# Altium PCB ESP12_RGBW_00.PcbDoc
Units mm, origin at the board's own origin, x right, y up, seen from the top; angles counter-clockwise.
Board outline 36 x 46 mm, 2 copper layers (Top Layer, Bottom Layer), stack 0.971 mm thick; 68 components, 79 nets, 275 pads, 49 vias.
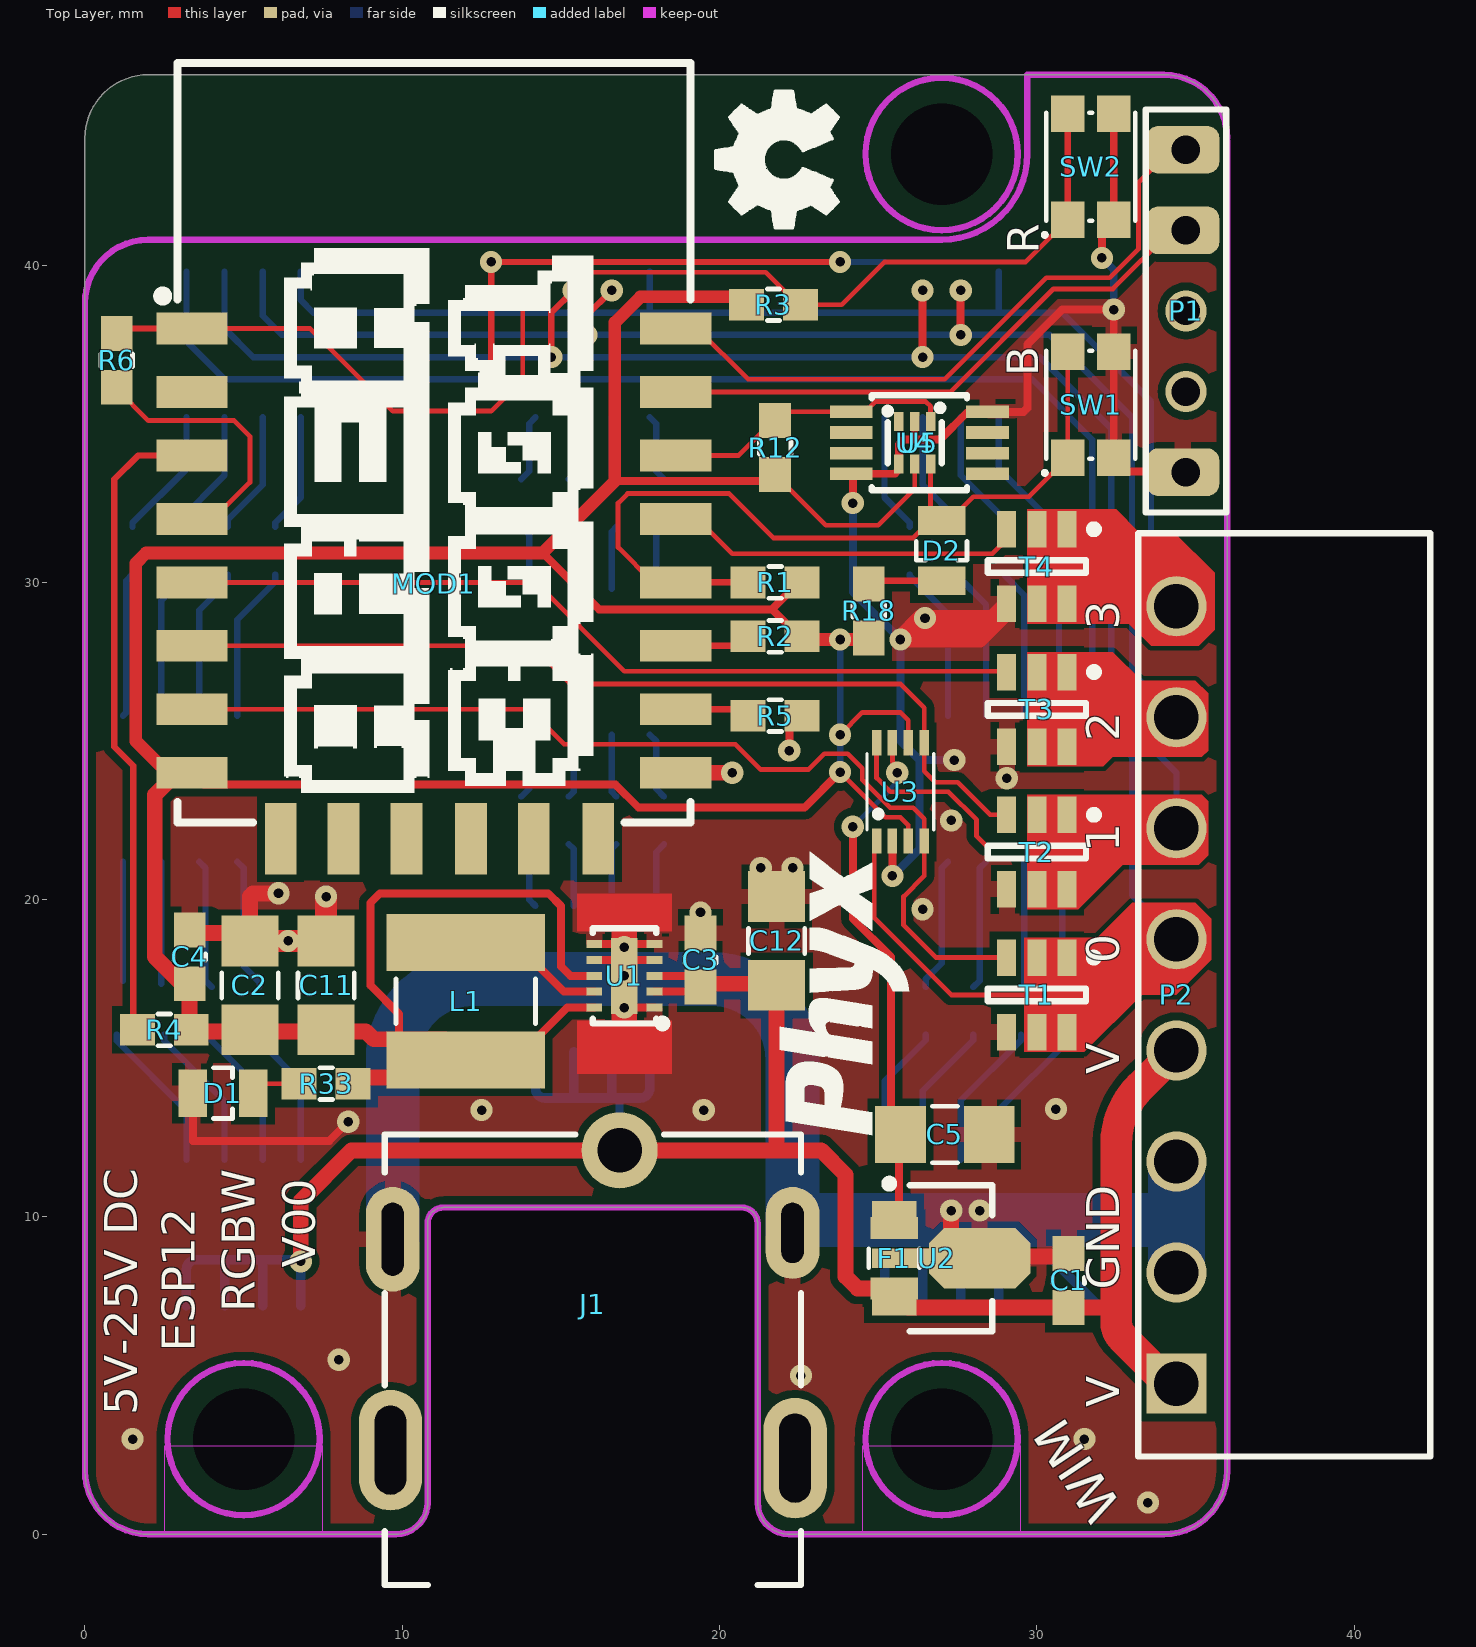
[diagram p0: Top Layer view]
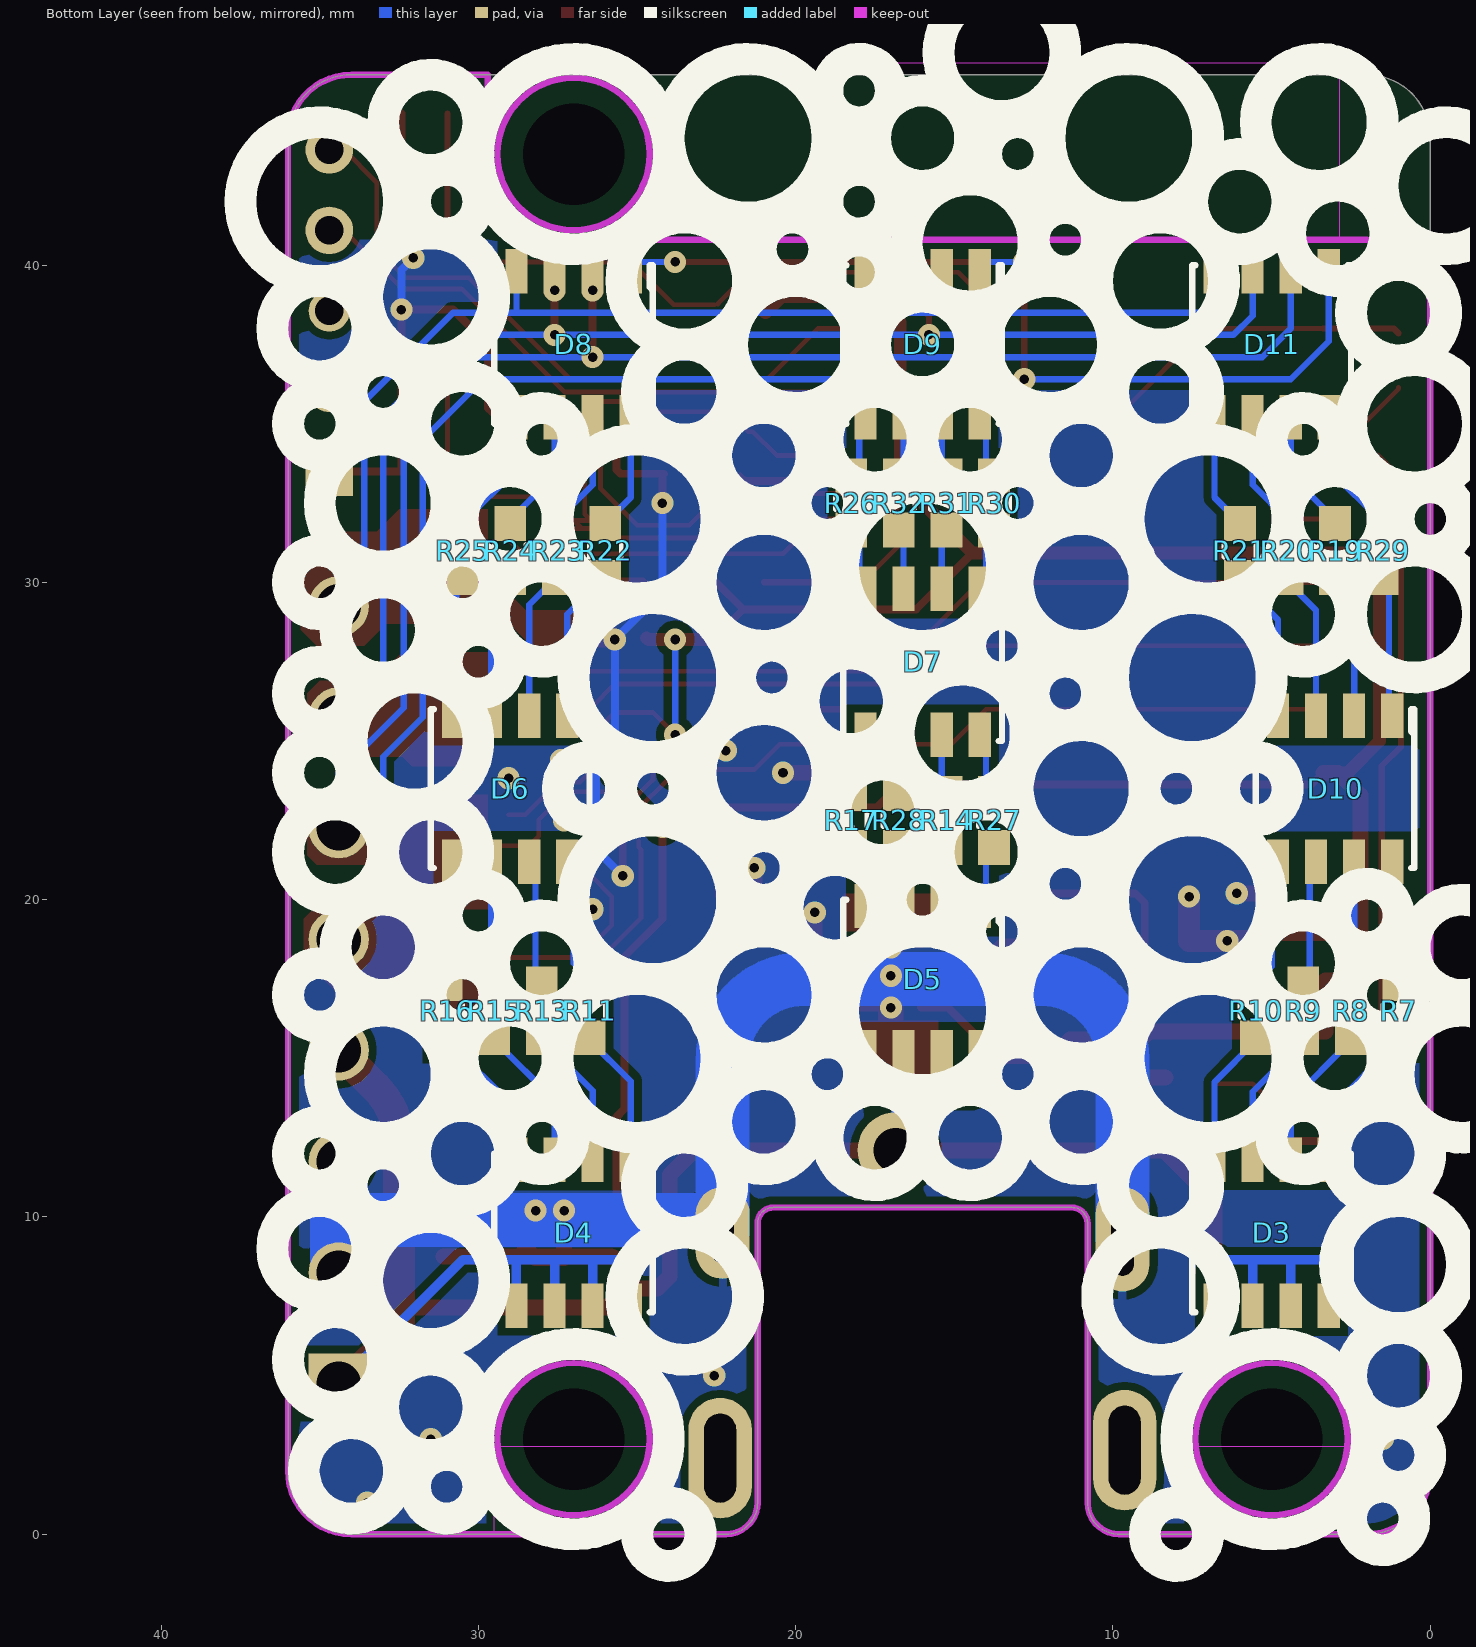
[diagram p1: Bottom Layer view, seen from below]
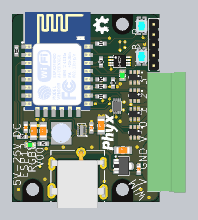
[diagram p2: 3D render of the assembled board from above, using the file's embedded part models]
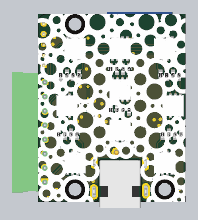
[diagram p3: 3D render of the assembled board from below, using the file's embedded part models]

## Layer stack, top to bottom
Top Solder: solder mask 0.0102, Solder Resist, Dk 3.5
Top Layer: signal copper 0.0356
Dielectric1: dielectric 0.9, FR-4, Dk 4.8
Bottom Layer: signal copper 0.0356
Bottom Solder: solder mask 0.0102, Solder Resist, Dk 3.5

## Board outline
2,0 9.8,0 ccw(c9.8,1) 10.8,1 10.8,9.8 cw(c11.3,9.8) 11.3,10.3 20.7,10.3 cw(c20.7,9.8) 21.2,9.8 21.2,1 ccw(c22.2,1) 22.2,0 34,0 ccw(c34,2) 36,2 36,44 ccw(c34,44) 34,46 2,46 ccw(c2,44) 0,44 0,2 ccw(c2,2)

## Design rules (kind name [scope] priority, off if disabled: settings)
Clearance [All] p1: gap=0.15 except(0.25: Arc-Poly Track-Poly SMDPad-Poly THPad-Poly Via-Poly Fill-Poly Poly-Poly)
HoleSize [All] p1: absolutevalues=TRUE maxlimit=4 minlimit=0.025 maxpercent=80.000 minpercent=20.000
MinimumSolderMaskSliver [All] p1: minsoldermaskwidth=0.1
PolygonConnect PolygonConnect_Via [IsVia] p1: connectstyle=Direct reliefconductorwidth=0.254 reliefentries=4 polygonreliefangle="90 Angle" airgapwidth=0.254
PolygonConnect PolygonConnect_TIO [All vs OnLayer('Top Layer')] p2: connectstyle=Relief reliefconductorwidth=0.5 reliefentries=4 polygonreliefangle="90 Angle" airgapwidth=0.2
PolygonConnect [All] p3: connectstyle=Relief reliefconductorwidth=0.254 reliefentries=4 polygonreliefangle="90 Angle" airgapwidth=0.254
RoutingVias [All] p1: holewidth=0.3 width=0.7 viastyle="Through Hole" minholewidth=0.3 minwidth=0.7 maxholewidth=0.3 maxwidth=0.7
SilkToSolderMaskClearance SilkscreenOverComponentPads [IsPad] p1: minsilkscreentomaskgap=0.254 clearancetoexposedcopper=TRUE
SolderMaskExpansion SolderMaskExpansion_VIA [IsVia] p1: expansion=-0.1 useseparateexpansions=TRUE expansionbottom=-10
SolderMaskExpansion [All] p2: expansion=0.05
Width [All] p1: maxlimit=2 minlimit=0.15 preferedwidth=0.5 minimp=50.000000 maximp=50.000000 favimp=50.000000
27 further rules are at their usual default settings.

## Classes and differential pairs
net class POWER: 3V3 GND NetL1_1 VIN

## Components (designator, comment, footprint, x,y, rotation, side; value= is the part's Value field where it differs from the comment)
C1 "CAP_CERAMIC" C0603_N 31,8 r90 top
C2 "CAP_CERAMIC" C1206_N 5.2,17.3 r90 top
C3 "CAP_CERAMIC" C0603_N 19.4,18.1 r90 top
C4 "CAP_CERAMIC" C0603_N 3.3,18.2 r90 top
C5 "CAP_CERAMIC" C1206_N 27.1,12.6 r0 top
C11 "CAP_CERAMIC" C1206_N 7.6,17.3 r90 top
C12 "CAP_CERAMIC" C1206_N 21.8,18.7 r90 top
D1 "Green LED" LED_0805_GR 4.35,13.9 r180 top
D2 "Green LED" LED_0805_GR 27,31 r90 top
D3 "5050 RGBW LED" LED_5050_RGBW_PLCC8 5,9.5 r90 bottom
D4 "5050 RGBW LED" LED_5050_RGBW_PLCC8 27,9.5 r90 bottom
D5 "5050 RGBW LED" LED_5050_RGBW_PLCC8 16,17.5 r90 bottom
D6 "5050 RGBW LED" LED_5050_RGBW_PLCC8 29,23.5 r90 bottom
D7 "5050 RGBW LED" LED_5050_RGBW_PLCC8 16,27.5 r90 bottom
D8 "5050 RGBW LED" LED_5050_RGBW_PLCC8 27,37.5 r90 bottom
D9 "5050 RGBW LED" LED_5050_RGBW_PLCC8 16,37.5 r90 bottom
D10 "5050 RGBW LED" LED_5050_RGBW_PLCC8 3,23.5 r90 bottom
D11 "5050 RGBW LED" LED_5050_RGBW_PLCC8 5,37.5 r90 bottom
F1 "FERRITE" L0805 25.5,8.7 r90 top
J1 "Socket RA 4.75 with 1.75 barrel" 694105309102 16.85,12.1 r0 top
L1 "SDR0503-100ML" BRNS_SDR0503 12,16.8 r270 top
MOD1 "ESP8266 based ESP-12E" ESP-12E 11,31 r0 top locked
P1 "Header 5" HDR1X5 34.7,33.475 r90 top
P2 "8 Terminal Socket RA 3,5mm" WE_691322110008 34.4,17 r90 top
R1 "RESISTOR" R0603_N 21.75,30 r180 top
R2 "RESISTOR" R0603_N 21.75,28.3 r180 top
R3 "RESISTOR" R0603_N 21.7,38.75 r0 top
R4 "RESISTOR" R0603_N 2.5,15.9 r180 top
R5 "RESISTOR" R0603_N 21.75,25.8 r0 top
R6 "RESISTOR" R0603_N 1,37 r270 top
R7 "RESISTOR" R0603_N 1,16.5 r90 bottom
R8 "RESISTOR" R0603_N 2.5,16.5 r90 bottom
R9 "RESISTOR" R0603_N 4,16.5 r90 bottom
R10 "RESISTOR" R0603_N 5.5,16.5 r90 bottom
R11 "RESISTOR" R0603_N 26.5,16.5 r90 bottom
R12 "RESISTOR" R0603_N 21.75,34.25 r90 top
R13 "RESISTOR" R0603_N 28,16.5 r90 bottom
R14 "RESISTOR" R0603_N 15.25,22.5 r90 bottom
R15 "RESISTOR" R0603_N 29.5,16.5 r90 bottom
R16 "RESISTOR" R0603_N 31,16.5 r90 bottom
R17 "RESISTOR" R0603_N 18.25,22.5 r90 bottom
R18 "RESISTOR" R0603_N 24.7,29.1 r90 top
R19 "RESISTOR" R0603_N 3,31 r90 bottom
R20 "RESISTOR" R0603_N 4.5,31 r90 bottom
R21 "RESISTOR" R0603_N 6,31 r90 bottom
R22 "RESISTOR" R0603_N 26,31 r90 bottom
R23 "RESISTOR" R0603_N 27.5,31 r90 bottom
R24 "RESISTOR" R0603_N 29,31 r90 bottom
R25 "RESISTOR" R0603_N 30.5,31 r90 bottom
R26 "RESISTOR" R0603_N 18.25,32.5 r90 bottom
R27 "RESISTOR" R0603_N 13.75,22.5 r90 bottom
R28 "RESISTOR" R0603_N 16.75,22.5 r90 bottom
R29 "RESISTOR" R0603_N 1.5,31 r90 bottom
R30 "RESISTOR" R0603_N 13.75,32.5 r90 bottom
R31 "RESISTOR" R0603_N 15.25,32.5 r90 bottom
R32 "RESISTOR" R0603_N 16.75,32.5 r90 bottom
R33 "RESISTOR" R0603_N 7.6,14.2 r180 top
SW1 "LP SMD tact sw WS-TASV" WE_434153017835 31.7,35.6 r90 top
SW2 "LP SMD tact sw WS-TASV" WE_434153017835 31.7,43.1 r90 top
T1 "8A N-Ch MOSFET Vgs 1.9" SOT23-6 30,17 r270 top
T2 "8A N-Ch MOSFET Vgs 1.9" SOT23-6 30,21.5 r270 top
T3 "8A N-Ch MOSFET Vgs 1.9" SOT23-6 30,26 r270 top
T4 "8A N-Ch MOSFET Vgs 1.9" SOT23-6 30,30.5 r270 top
U1 "Fixed 3.3V Buck 0.5A" TI_DQC_WSON10 17,17.6 r180 top
U2 "5V LDO 100mA" TI_PK 27.3,8.7 r0 top
U3 "2-bit Bi Level translator, 15kV ESD" TI_DCU_R-PDSO-G8 25.7,23.4 r0 top
U4 "I2C Temp sensor High Accuracy" TI_DRL_R-PDSO-N6 26.15,34.4 r180 top
U5 "Thermometer 1-Wire DS18B20U" MAX_uSOP8 26.3,34.4 r0 top

## Footprints (in the part's own frame and the unit in brackets; to place one, negate y for a bottom-side part, rotate by r counter-clockwise, add the part's x,y. Pads: shape width x height; smd on the part's side, far side on the other; paste and mask are expansions set on the pad)
694105309102 [mm] "694105309102 in board DC Power Barrel jack"
  round 2.4 hole 1.4: 1(0,0)
  oval 1.7x3.3 hole 0.7 slot 2.3 at 90 deg: 2(-7.15,-2.8)
  oval 1.7x2.9 hole 0.7 slot 1.9 at 90 deg: 3(5.45,-2.6)
  oval 2x3.8 hole 1 slot 2.8 at 90 deg: Z1(5.53,-9.7) Z2(-7.22,-9.45)
  Comments keep-out lines w0.127: -6.05,-13.7 -6.05,-1.8 4.35,-1.8 4.35,-13.7 -6.05,-13.7
  silkscreen extent -7.41,-13.7 5.72,0.5, body extent -7.41,-13.7 5.72,0.5, height 5.5
BRNS_SDR0503 [mm] "Bourns 5.0x4.8mm Inductor 3mm height - SDR0503 Series"
  rect 1.8x5 smd: 1(-1.85,0) 2(1.85,0)
  silkscreen extent -0.7,-2.2 0.7,2.2, body extent -2.5,-2.5 2.5,2.5, height 3
C0603_N [mm] "Low density"
  rect 1.1x1 smd: 1(-0.85,0) 2(0.85,0)
  silkscreen extent -0.1,-0.5 0.1,0.5, body extent -0.8,-0.4 0.8,0.4, height 0.3
C1206_N [mm] "low density"
  rect 1.6x1.8 smd: 1(-1.4,0) 2(1.4,0)
  silkscreen extent -0.4,-0.89 0.4,0.89, body extent -1.6,-0.8 1.6,0.8, height 1
ESP-12E [mm]
  rect 2.25x1 smd: 1(-7.625,7) 2(-7.625,5) 3(-7.625,3) 4(-7.625,1) 5(-7.625,-1) 6(-7.625,-3) 7(-7.625,-5) 8(-7.625,-7) 15(7.625,-7) 16(7.625,-5) 17(7.625,-3) 18(7.625,-1) 19(7.625,1) 20(7.625,3) 21(7.625,5) 22(7.625,7)
  rect 1x2.25 smd: 9(-4.831,-9.083) 10(-2.85,-9.083) 11(-0.869,-9.083) 12(1.163,-9.083) 13(3.145,-9.083) 14(5.177,-9.083)
  Keep-Out Layer region: -8.127,9.727 8.084,9.727 8.084,15.371 -8.127,15.371
  silkscreen extent -8.7,-8.57 8.08,15.37, body extent -7.86,-8.52 8.16,15.51, height 3.82
HDR1X5 [mm] "Connector; Header; 5 Position"
  rect 1.5x1.5 hole 0.9: 1(0,0)
  round 1.3 hole 0.9: 2(2.54,0) 3(5.08,0)
  round 1.5 hole 0.9: 4(7.62,0) 5(10.16,0)
  silkscreen extent -1.27,-1.27 11.43,1.27, body extent -1.3,-1.25 11.4,1.25, height 8.2
L0805 [mm]
  rect 0.7x1.5 smd: 1(-0.95,0) 2(0.95,0)
  silkscreen extent -0.3,-0.8 0.3,0.8, body extent -1,-0.6 1,0.6, height 0.95
LED_0805_GR [mm] "0805 LED GREEN"
  rect 0.9x1.5 smd: 1(-0.95,0) 2(0.95,0)
  silkscreen extent -0.3,-0.8 0.3,0.8, body extent -1.01,-0.62 1.01,0.63, height 1.1
LED_5050_RGBW_PLCC8 [mm] "5050 RGBW LED PLCC8"
  rect 1.4x0.7 smd: 1(-2.3,1.8) 2(2.3,1.8) 3(-2.3,0.6) 4(2.3,0.6) 5(-2.3,-0.6) 6(2.3,-0.6) 7(-2.3,-1.8) 8(2.3,-1.8)
  silkscreen extent -2.5,-2.5 2.5,2.5, body extent -2.7,-2.5 2.7,2.5, height 1.6
MAX_uSOP8 [mm]
  rect 1.35x0.4 smd paste-5: 1(-2.15,0.975) 2(-2.15,0.325) 3(-2.15,-0.325) 4(-2.15,-0.975) 5(2.15,-0.975) 6(2.15,-0.325) 7(2.15,0.325) 8(2.15,0.975)
  silkscreen extent -1.5,-1.5 1.5,1.5, body extent -2.51,-1.55 2.52,1.55, height 1.1
R0603_N [mm] "Low density"
  rect 1.1x1 smd: 1(-0.85,0) 2(0.85,0)
  silkscreen extent -0.2,-0.5 0.2,0.5, body extent -0.8,-0.41 0.8,0.41, height 0.45
SOT23-6 [mm] "SOT23, 6-Leads, Body 3,1x3,2mm (max), Pitch 0,95mm, IPC Medium Density"
  rect 1.15x0.6 smd: 1(-1.175,0.95) 2(-1.175,0) 3(-1.175,-0.95) 4(1.175,-0.95) 5(1.175,0) 6(1.175,0.95)
  silkscreen extent -1.3,-1.55 0.2,1.93, body extent -1.5,-1.55 1.5,1.55, height 1.4
TI_DCU_R-PDSO-G8 [mm] "TI_DCU_R-PDSO-G8"
  rect 0.3x0.8 smd mask+0.075: 1(-0.75,-1.55) 2(-0.25,-1.55) 3(0.25,-1.55) 4(0.75,-1.55) 5(0.75,1.55) 6(0.25,1.55) 7(-0.25,1.55) 8(-0.75,1.55)
  silkscreen extent -1.05,-1.2 1.05,1.2, body extent -1,-1.55 1,1.55, height 0.9
TI_DQC_WSON10 [mm] "Ti DQC WSON 10 0.5mm pitch"
  rect 0.5x0.25 smd: 1(-0.95,1) 2(-0.95,0.5) 3(-0.95,0) 4(-0.95,-0.5) 5(-0.95,-1) 6(0.95,-1) 7(0.95,-0.5) 8(0.95,0) 9(0.95,0.5) 10(0.95,1)
  rect 0.84x2.4 smd: 11(0,0)
  silkscreen extent -1.33,-1.5 1,1.62, body extent -1,-1.5 1,1.5, height 0.8
TI_DRL_R-PDSO-N6 [mm] "TI_DRL_R-PDSO-N6"
  rect 0.3x0.6 smd: 1(-0.5,-0.675) 2(0,-0.675) 3(0.5,-0.675) 4(0.5,0.675) 5(0,0.675) 6(-0.5,0.675)
  silkscreen extent -0.9,-1.2 0.85,0.65, body extent -0.85,-0.85 0.85,0.85, height 0.6
TI_PK [mm] "SOT-89 3 leads package"
  rect 1.4x0.6 smd: 1(-1.8,1.5) 3(-1.8,-1.5)
  rect 1.8x0.6 smd: 2(-1.6,0)
  oct 3.2x1.9 smd: 2(0.9,0)
  silkscreen extent -2.07,-2.3 1.3,2.47, body extent -2.25,-2.25 2,2.25, height 1.54
WE_434153017835 [mm] "Miniature SMD TACT SW"
  rect 1.15x1.05 smd: 1(-1.675,0.725) 1(1.675,0.725) 2(-1.675,-0.725) 2(1.675,-0.725)
  silkscreen extent -2.2,-1.4 1.7,1.5, body extent -2.15,-1.45 2.15,1.45, height 1.71
WE_691322110008 [mm]
  rect 1.9x1.9 hole 1.4: 1(-12.25,0)
  round 1.9 hole 1.4: 2(-8.75,0) 3(-5.25,0) 4(-1.75,0) 5(1.75,0) 6(5.25,0) 7(8.75,0) 8(12.25,0)
  silkscreen extent -14.55,-8 14.55,1.2, body extent -14.75,-8 14.75,1.2, height 7.31

## Part data
C1 C3 C4: library part "CAP # 100nF 50V 0603", "Capacitor Ceramic"
C2 C5: library part "CAP # 10uF 10V 0805", "Capacitor Ceramic"
C11: library part "CAP # 22uF 16V 1206 X5R", "Capacitor Ceramic"
C12: library part "CAP # 10uF 35V 1206 X5R", "Capacitor Ceramic"
D1 D2: library part "LED # Green 0805", "=Description"
D3 D4 D5 D6 D7 D8 D9 D10 D11: library part "LED # RGBW 5050", "=Description"
F1: library part "FER # 120R 0.8A 0805 0R12"
J1: library part "SCKT 1.75mm barrel in board - 694105309102", "Socket RA 5.5  with 2.1 barrel"
L1: library part "IND # 10uH 5x4.8mm SDR0503-100ML"
MOD1: library part "WiFi # MOD ESP-12E", "=Description"
P1: library part "Pin Header 2.54mm 5way"
P2: library part "Terminal Block Socket RA 3,5mm 8way - 691322110008"
R1 R2 R3 R4 R5 R12: library part "RES # 10K 0603"
R6: library part "RES # 100R 0603"
R7 R11 R22 R27 R29 R30: library part "RES # 82R 0603"
R8 R9 R13 R14 R15 R19 R20 R23 R24 R28 R31 R32: library part "RES # 68R 0603"
R10 R16 R17 R21 R25 R26: library part "RES # 150R 0603"
R18 R33: library part "RES # 1K 0603"
SW1 SW2: library part "SW # TACT mini 3.5x2.9 mm SMD J-Bend WS-TASV"
T1 T2 T3 T4: library part "SQ3456EV-T1-GE3 N-Ch MOSFET 8A 1.9Vgs 30Vds"
U1: library part "PWR # Buck TPS62177 3.3V 0.5A", "=Description"
U2: library part "LDO # 5V 100mA", "LDO 5V 100mA"
U3: library part "LVL # 2ch TXB0102DCU", "=Description"
U4: library part "TEMP # TMP112", "=Description"
U5: library part "TMP # DS18B20U", "=Description"

## Free pads (board coordinates)
  round 2.6 hole 3.2 unplated mask+1.25: 0(5,3) 0(27,3) 0(27,43.5)
  rrect50% 2.3x1.5 smd: 2(34.6,33.475) 2(34.6,41.095) 2(34.6,43.635)

## Via types
v1: diameter 0.7, hole 0.3, Top Layer to Bottom Layer, 49 vias

## Nets (pads, with @x,y where several pads share a name; then routed paths per layer and width w, separated by ;. In a path a pad name is that pad's centre, name@x,y a point inside that pad or via, vN(x,y) a via of type N, cw(c..) or ccw(c..) an arc to the next point about the centre after c; other vN are vias at no path point)
3V3: C2.1 C4.1 C11.1 L1.2 MOD1.8 R1.1 R2.1 R3.1 R4.1 R12.1 R18.1 R33.1 U1.8 U1.10 U3.3 U3.6 U4.5 | length 131.1
  Top Layer w0.15: R12.1@21.55,33.2 R12.1 23.35,31.8 25,31.8 26.15,32.95 U4.5 ; v1(23.8,24.023) 25.223,22.6 25.7,22.6 25.95,22.35 U3.3 ; v1(23.8,25.2) 24.5,25.9 25.7,25.9 25.95,25.65 U3.6
  Top Layer w0.2: R1.1@22.5,30 R1.1 ; R2.1@22.5,28.3 R2.1
  Top Layer w0.25: MOD1.8 3.75,23.625 16.725,23.625 17.45,22.9 22.677,22.9 v1(23.8,24.023) ; L1.2@9.9,15.5 9.9,15.6 9.9,16.4 9,17.3 9,19.9 9.3,20.2 14.6,20.2 15,19.8 15,17.9 15.3,17.6 U1.8 ; L1.2@11.3,14.95 L1.2 13.55,14.95 15.2,16.6 U1.10 ; 14.425,30.925 16.2,29.15 21.65,29.15 ; 16.7,33.2 R12.1@21.55,33.2 ; R1.1@22.5,30 21.65,29.15 ; R2.1@22.5,28.3 21.65,29.15
  Top Layer w0.4: MOD1.8@2.9,24 2.6,24 1.6,25 1.6,30.6 1.925,30.925 14.425,30.925 16.7,33.2 16.7,38.195 17.505,39 20.45,39 R3.1@20.95,38.5 ; R2.1 22.7,28.2 24.65,28.2 R18.1
  Top Layer w0.5: MOD1.8 2.9,24 2.2,23.3 2.2,18.2 2.95,17.45 3.3,17.45 3.3,15.85 8.85,15.85 9.1,15.6 9.9,15.6 11.35,15.6 L1.2 ; R33.1@8.35,14.4 L1.2@11.45,14.4 ; L1.2@11.05,14.95 L1.2@11.3,14.95
  Bottom Layer w0.2: v1(23.8,24.023) v1(23.8,25.2) v1(23.8,28.2)
5V: C5.1 F1.2 U2.1 U3.7 | length 16.6
  Top Layer w0.15: U3.7 25.45,24.362 ccw(c25.962,24.362) v1(25.6,24)
  Top Layer w0.25: v1(24.2,22.3) 24.2,19.4 25.4,18.2 25.4,13.4 25.65,13.15 25.65,9.8 F1.2
  Bottom Layer w0.15: v1(24.2,22.3) 25.388,23.488 ccw(c24.876,24) v1(25.6,24)
ADC: MOD1.2
EN: MOD1.3 R4.2 | length 20.6
  Top Layer w0.2: R4.2@1.825,16.2 R4.2@1.95,16.2 ; R4.2@1.85,15.9 1.525,16.225 1.525,24.225 0.925,24.825 0.925,33.25 1.675,34 MOD1.3
FET0: MOD1.7 T1.3 U3.4 | length 32.4
  Top Layer w0.15: MOD1.7 14,26 15.1,24.9 20.5,24.9 21.3,24.1 22.8,24.1 23.3,24.6 24.036,24.6 24.5,24.136 24.5,23.776 25.376,22.9 26.1,22.9 26.45,22.55 U3.4 26.45,20.75 25.8,20.1 25.8,19.2 26.825,18.175 T1.3
FET1: MOD1.6 T2.3 U3.5 | length 29.1
  Top Layer w0.15: MOD1.6 14.1,28 15.3,26.8 25.7,26.8 26.45,26.05 U3.5 26.45,24.05 26.8,23.7 27.5,23.7 28.525,22.675 T2.3
FET2: MOD1.5 T3.3 | length 26.8
  Top Layer w0.15: MOD1.5 14.2,30 17,27.2 29.025,27.2 T3.3
FET3: MOD1.19 T4.3 | length 11.4
  Top Layer w0.15: MOD1.19 19.3,32 20.4,30.9 28.6,30.9 29.05,31.35 T4.3
FTDI.RXD: MOD1.22 P1.5 pad.2@34.6,43.635 | length 21
  Top Layer w0.15: MOD1.22 19.3,38 20.9,36.4 27.1,36.4 30.3,39.6 32.3,39.6 33.2,40.5 33.2,42.6 34.26,43.66 pad.2@34.7,43.66
FTDI.TXD: MOD1.21 P1.4 pad.2@34.6,41.095 | length 18.1
  Top Layer w0.15: MOD1.21 27.275,36 30.525,39.25 32.4,39.25 34.245,41.095 pad.2@34.6,41.095
GND: C1.2 C2.2 C3.2 C4.2 C5.2 C11.2 C12.2 D1.2 J1.2 J1.3 MOD1.15 P1.1 P2.2 P2.3 pad.2@34.6,33.475 R5.2 SW1.2 SW2.2 T1.4 T2.4 T3.4 T4.4 U1.1 U1.4 U1.5 U1.6 U1.7 U1.11 U2.2 U3.2 U4.2 U4.4 U5.4 U5.8 | length 127.9
  Top Layer w0.2: 26.15,34.5 U4.2
  Top Layer w0.25: D1.2@3.65,14.1 3.4,13.85 3.4,12.4 7.7,12.4 v1(8.3,13) ; U1.7 U1.4 ; U1.6 U1.5 ; v1(17,17.6) v1(17,16.6) U1.1 ; v1(22.2,24.7) 22.2,25.5 R5.2@22.5,25.8 ; v1(24.2,32.5) 24.2,33.375 U5.4 25.525,33.425 25.65,33.55 25.65,34.35 25.8,34.5 26.95,34.5 27.825,35.375 U5.8 29.575,35.375 29.7,35.5 29.7,37.5 30.8,38.6 v1(32.425,38.6) 32.425,37.275 32.425,33.925 32.425,33.5 pad.2@34.7,33.5 ; v1(25.45,20.75) U3.2 ; T2.4@29.05,20.15 T2.4 ; v1(32.05,40.225) 32.05,41.425 32.313,41.162 32.425,41.275 32.425,41.425 SW2.2@32.425,44.775
  Top Layer w0.5: C4.2@3.3,18.95 C2.2@5.2,18.95 ; C2.2@5.2,18.75 5.4,18.95 C2.2@5.2,18.95 ; v1(6.1,20.2) 5.3,20.2 5.2,20.1 C2.2@5.2,18.95 ; MOD1.15 v1(20.4,24) ; C3.2@19.4,18.85 v1(19.4,19.6) ; v1(21.3,21) 21.3,20.15 22.3,20.15 v1(22.3,21) ; U2.2@25.7,8.7 cw(c25.821,8.579) 25.821,8.75 U2.2@27.3,8.75 ; v1(25.7,28.2) 28.2,28.2 29.05,29.05 T4.4 28.6,28.875 v1(26.475,28.875) ; v1(27.3,10.2) U2.2@27.3,8.75 ; U2.2@28.2,8.7 27.3,8.7 U2.2@27.3,8.75 ; U2.2@28.55,9.05 U2.2@28.25,8.75 ; C1.2@31.1,8.75 U2.2@28.25,8.75 ; U2.2@27.3,8.75 U2.2@28.25,8.75
  Top Layer w0.7: C2.2@5.2,18.75 5.25,18.7 v1(6.4,18.7) C11.2 v1(7.6,20.1)
  Bottom Layer w0.25: v1(24.2,32.5) 24.2,29.7 v1(25.7,28.2) 25.7,25 26.3,24.4 ; v1(25.45,20.75) 26.3,21.6 26.3,24.4 ; v1(27.4,24.4) 26.3,24.4 ; v1(32.05,40.225) 32.425,39.85 v1(32.425,38.6)
  Bottom Layer w1.7: J1.2 9.7,14.96 cw(c12.24,14.96) 12.24,17.5 19.76,17.5 cw(c19.76,14.96) 22.3,14.96 J1.3 ; J1.3@22.3,9.9 34.3,9.9
  Bottom Layer w1.8: P2.2 P2.3
  other v1: 33.5,1 1.5,3 31.5,3 22.565,5 8,5.5 28.2,10.2 12.5,13.37 19.5,13.37 30.6,13.4 17,18.5 26.4,19.7 27.3,22.5 29.05,23.825
GPIO0: D2.2 MOD1.18 R1.2 SW1.1 U4.6 | length 28.1
  Top Layer w0.15: MOD1.18 17.9,30 16.8,31.1 16.8,32.5 17.1,32.8 20.3,32.8 21.7,31.4 26.1,31.4 26.4,31.7 D2.2@26.75,31.7 ; U4.6 26.65,32.15 26.45,31.95 D2.2 ; D2.2@27.1,31.7 D2.2@26.75,31.7 ; SW1.1@30.975,37.275 30.975,33.925 29.75,32.7 28,32.7 27.25,31.95 D2.2 ; D2.2@26.75,31.7 D2.2
  Top Layer w0.2: MOD1.18 R1.2@21,30
GPIO2: MOD1.17 R2.2 | length 2.4
  Top Layer w0.2: MOD1.17 R2.2@21,28
GPIO5: MOD1.20 R12.2 U4.1 U5.1 | length 9.5
  Top Layer w0.15: MOD1.20 20.6,34 21.35,34.75 21.5,34.75 21.75,35 R12.2 21.75,35.35 21.775,35.375 U5.1 24.575,35.375 24.9,35.7 26.5,35.7 26.65,35.55 U4.1
GPIO9: MOD1.11
GPIO10: MOD1.12
GPIO15: MOD1.16 R5.1 | length 2.4
  Top Layer w0.2: MOD1.16 R5.1@21,26
GPIO16: MOD1.4 R6.2 | length 8.6
  Top Layer w0.15: R6.2 1,36.1 2,35.1 4.7,35.1 5.2,34.6 5.2,33.15 4.05,32 MOD1.4
LED0: D8.8 D9.8 D11.8 P2.5 T1.1 T1.2 T1.5 T1.6 U3.1 | length 80.6
  Top Layer w0.15: U3.1 24.95,21.65 24.875,21.575 24.875,19.425 27.3,17 30,17
  Top Layer w0.2: v1(12.8,36.4) v1(12.8,40.1) v1(23.8,40.1)
  Top Layer w0.25: T1.5 30,17 T1.2 T1.1 T1.6
  Bottom Layer w0.2: D11.8 3.2,37.6 4.4,36.4 v1(12.8,36.4) 29.85,36.4 31.75,34.5 31.75,25.75 33,24.5 33,20.15 P2.5 ; v1(12.8,40.1) D9.8@14.2,40.1 ; v1(23.8,40.1) D8.8@25.2,40.1
LED1: D8.6 D9.6 D11.6 P2.6 T2.1 T2.2 T2.5 T2.6 U3.8 | length 62.1
  Top Layer w0.15: U3.8 24.95,23.837 25.387,23.4 27.213,23.4 28.1,22.513 28.1,22 28.4,21.7 30,21.7 ; T2.5 T2.2
  Top Layer w0.2: v1(14.7,37.1) 14.7,38.5 v1(15.4,39.2)
  Top Layer w0.25: v1(26.4,37.1) v1(26.4,39.2) ; T2.2 T2.1 ; T2.6 T2.1 ; T2.1@31.025,22.75 T2.1
  Bottom Layer w0.2: D11.6 4.4,38 5.3,37.1 v1(26.4,37.1) 30.1,37.1 32.35,34.85 32.35,26.05 34.4,24 P2.6
LED2: D8.4 D9.4 D11.4 P2.7 T3.1 T3.2 T3.5 T3.6 | length 48.9
  Top Layer w0.2: v1(15.8,37.8) 15.8,38.4 v1(16.6,39.2)
  Top Layer w0.25: v1(27.6,37.8) v1(27.6,39.2) ; T3.2 T3.5 T3.6 T3.1
  Bottom Layer w0.2: D11.4 5.6,38.4 6.2,37.8 v1(27.6,37.8) 30.4,37.8 33,35.2 33,27.15 P2.7
LED3: D8.2 D9.2 D11.2 P2.8 T4.1 T4.2 T4.5 T4.6 | length 44
  Top Layer w0.25: T4.2 T4.5 T4.6 T4.1
  Bottom Layer w0.2: D11.2 6.8,38.9 7.2,38.5 28.8,38.5 ; 17.8,38.55 D9.2 ; D8.2 28.8,38.5 ; P2.8 33.6,30.05 33.6,35.7 30.8,38.5 28.8,38.5
NetD1_1: D1.1 R33.2 | length 1.6
  Top Layer w0.15: D1.1 5.6,14.2 R33.2
NetD2_1: D2.1 R18.2 | length 2.3
  Top Layer w0.2: R18.2 24.8,30.05 D2.1
NetD3_2: D3.2 R10.1 | length 4.5
  Bottom Layer w0.2: R10.1@5.5,15.75 5.5,15.55 6.8,14.25 D3.2
NetD3_4: D3.4 R9.1 | length 4.6
  Bottom Layer w0.2: R9.1@4,15.75 4,15.55 5.6,13.95 D3.4
NetD3_6: D3.6 R8.1 | length 4.7
  Bottom Layer w0.2: R8.1@2.5,15.75 2.5,15.55 4.4,13.65 D3.6
NetD3_8: D3.8 R7.1 | length 4.9
  Bottom Layer w0.2: R7.1@1,15.75 1,15.55 3.2,13.35 D3.8
NetD4_2: D4.2 R16.1 | length 4.9
  Bottom Layer w0.2: D4.2 28.8,13.375 31,15.575 R16.1@31,15.75
NetD4_4: D4.4 R15.1 | length 4.7
  Bottom Layer w0.2: D4.4 27.6,13.675 29.5,15.575 R15.1@29.5,15.75
NetD4_6: D4.6 R13.1 | length 4.6
  Bottom Layer w0.2: D4.6 26.4,13.975 28,15.575 R13.1@28,15.75
NetD4_8: D4.8 R11.1 | length 4.5
  Bottom Layer w0.2: D4.8 25.2,14.275 26.5,15.575 R11.1@26.5,15.75
NetD5_2: D5.2 R17.1 | length 2.1
  Bottom Layer w0.2: D5.2 18,20 18,21.5 R17.1@18.25,21.75
NetD5_4: D5.4 R28.1 | length 2
  Bottom Layer w0.2: D5.4 16.6,21.6 R28.1@16.75,21.75
NetD5_6: D5.6 R14.1 | length 2
  Bottom Layer w0.2: R14.1@15.25,21.75 15.4,21.6 D5.6
NetD5_8: D5.8 R27.1 | length 2.1
  Bottom Layer w0.2: R27.1@13.75,21.75 14,21.5 14,20 D5.8
NetD6_1: D6.1 R16.2 | length 3.8
  Bottom Layer w0.2: R16.2@30.8,17.45 D6.1
NetD6_2: D6.2 R25.1 | length 4.6
  Bottom Layer w0.2: R25.1@30.5,30.25 30.7,30.05 30.7,25.9 D6.2
NetD6_3: D6.3 R15.2 | length 3.8
  Bottom Layer w0.2: R15.2@29.6,17.35 D6.3
NetD6_4: D6.4 R24.1 | length 4.7
  Bottom Layer w0.2: R24.1@29,30.25 29,30.2 29.6,29.6 D6.4
NetD6_5: D6.5 R13.2 | length 4.1
  Bottom Layer w0.2: R13.2@28,17.25 28.2,17.45 28.2,21 D6.5
NetD6_6: D6.6 R23.1 | length 4.8
  Bottom Layer w0.2: R23.1@27.5,30.25 27.5,30.2 28.4,29.3 D6.6
NetD6_7: D6.7 R11.2 | length 4.2
  Bottom Layer w0.2: R11.2@26.5,17.25 26.5,17.5 27,18 27,21 D6.7
NetD6_8: D6.8 R22.1 | length 4.9
  Bottom Layer w0.2: R22.1@26,30.25 26,30.2 27.2,29 D6.8
NetD7_1: D7.1 R17.2 | length 2.1
  Bottom Layer w0.2: D7.1 18,25 18,23.5 R17.2@18.25,23.25
NetD7_2: D7.2 R26.1 | length 2.1
  Bottom Layer w0.2: D7.2 18,30 18,31.5 R26.1@18.25,31.75
NetD7_3: D7.3 R28.2 | length 2
  Bottom Layer w0.2: D7.3 16.6,23.4 R28.2@16.75,23.25
NetD7_4: D7.4 R32.1 | length 2
  Bottom Layer w0.2: D7.4 16.6,31.6 R32.1@16.75,31.75
NetD7_5: D7.5 R14.2 | length 2
  Bottom Layer w0.2: R14.2@15.25,23.25 15.4,23.4 D7.5
NetD7_6: D7.6 R31.1 | length 2
  Bottom Layer w0.2: R31.1@15.25,31.75 15.4,31.6 D7.6
NetD7_7: D7.7 R27.2 | length 2.1
  Bottom Layer w0.2: R27.2@13.75,23.25 14,23.5 14,25 D7.7
NetD7_8: D7.8 R30.1 | length 2.1
  Bottom Layer w0.2: R30.1@13.75,31.75 14,31.5 14,30 D7.8
NetD8_1: D8.1 R25.2 | length 4.2
  Bottom Layer w0.2: D8.1 28.8,33.575 30.5,31.875 R25.2@30.5,31.75
NetD8_3: D8.3 R24.2 | length 4
  Bottom Layer w0.2: D8.3 27.6,33.375 29,31.975 R24.2@29,31.75
NetD8_5: D8.5 R23.2 | length 3.9
  Bottom Layer w0.2: D8.5 26.4,33.075 27.5,31.975 R23.2@27.5,31.75
NetD8_7: D8.7 R22.2 | length 3.8
  Bottom Layer w0.2: D8.7 25.2,32.675 26,31.875 R22.2@26,31.75
NetD9_1: D9.1 R26.2 | length 2.1
  Bottom Layer w0.2: D9.1 18,35 18,33.5 R26.2@18.25,33.25
NetD9_3: D9.3 R32.2 | length 2
  Bottom Layer w0.2: D9.3 16.6,33.4 R32.2@16.75,33.25
NetD9_5: D9.5 R31.2 | length 2
  Bottom Layer w0.2: R31.2@15.25,33.25 15.4,33.4 D9.5
NetD9_7: D9.7 R30.2 | length 2.1
  Bottom Layer w0.2: R30.2@13.75,33.25 14,33.5 14,35 D9.7
NetD10_1: D10.1 R10.2 | length 4.2
  Bottom Layer w0.2: D10.1 5,21 5,17.9 5.5,17.4 R10.2@5.5,17.25
NetD10_2: D10.2 R21.1 | length 4.9
  Bottom Layer w0.2: D10.2 4.8,28.825 6,30.025 R21.1@6,30.25
NetD10_3: D10.3 R9.2 | length 4.1
  Bottom Layer w0.2: D10.3 3.8,21 3.8,17.45 R9.2@4,17.25
NetD10_4: D10.4 R20.1 | length 4.8
  Bottom Layer w0.2: D10.4 3.6,29.125 4.5,30.025 R20.1@4.5,30.25
NetD10_5: D10.5 R8.2 | length 3.8
  Bottom Layer w0.2: R8.2@2.4,17.35 D10.5
NetD10_6: D10.6 R19.1 | length 4.7
  Bottom Layer w0.2: D10.6 2.4,29.425 3,30.025 R19.1@3,30.25
NetD10_7: D10.7 R7.2 | length 3.8
  Bottom Layer w0.2: R7.2@1.2,17.45 D10.7
NetD10_8: D10.8 R29.1 | length 4.6
  Bottom Layer w0.2: D10.8 1.3,25.9 1.3,30.05 R29.1@1.5,30.25
NetD11_1: D11.1 R21.2 | length 3.8
  Bottom Layer w0.2: R21.2@6,31.75 6,31.875 6.8,32.675 D11.1
NetD11_3: D11.3 R20.2 | length 3.9
  Bottom Layer w0.2: R20.2@4.5,31.75 4.5,31.975 5.6,33.075 D11.3
NetD11_5: D11.5 R19.2 | length 4
  Bottom Layer w0.2: R19.2@3,31.75 3,31.975 4.4,33.375 D11.5
NetD11_7: D11.7 R29.2 | length 4.2
  Bottom Layer w0.2: R29.2@1.5,31.75 1.5,31.875 3.2,33.575 D11.7
NetL1_1: L1.1 U1.9 | length 4.7
  Top Layer w0.25: L1.1 13.55,18.65 15.1,17.1 U1.9
R\S\T\: MOD1.1 R3.2 R6.1 SW2.1 | length 39
  Top Layer w0.15: MOD1.1 7.1,38 9.7,35.4 12.8,35.4 13.8,36.4 13.8,38.7 14.875,39.775 21.45,39.775 R3.2@22.45,38.775 ; R3.2 23.85,38.75 25.2,40.1 29.65,40.1 SW2.1@30.975,41.425
  Top Layer w0.2: R6.1 1.15,38 MOD1.1 ; SW2.1@30.975,41.425 SW2.1@30.975,44.775
SPI.CLK: MOD1.14
SPI.INT: MOD1.13
SPI.MISO: MOD1.10
SPI.MOSI: MOD1.9
VIN: C1.1 C3.1 C12.1 D3.1 D3.3 D3.5 D3.7 D4.1 D4.3 D4.5 D4.7 D5.1 D5.3 D5.5 D5.7 F1.1 J1.1 P2.1 P2.4 U1.2 U1.3 U2.3 | length 92.5
  Top Layer w0.25: U1.2 19.35,17.1 19.6,17.35 19.35,17.6 U1.3
  Top Layer w0.5: v1(6.8,8.6) 6.8,10.5 8.4,12.1 J1.1 21.8,12.1 ; C3.1@19.6,17.35 C12.1@21.8,17.35 ; C12.1@21.8,17.25 21.8,12.1 ; 32.379,7.25 cw(c32.379,7.079) 32.5,7.2 ; 32.5,7.15 25.95,7.15 U2.3@25.9,7.2 ; 21.8,12.1 23.2,12.1 23.97,11.33 23.97,8.13 24.35,7.75 F1.1 F1.1@25.5,7.6 ; F1.1@25.5,7.6 U2.3@25.9,7.2 ; F1.1@25.5,7.6 U2.3 U2.3@25.9,7.2
  Top Layer w1: 32.5,7.15 32.5,6.683 ccw(c33.183,6.683) 32.7,6.2 33.973,4.927 ccw(c34.4,5.353) P2.1 ; 32.5,7.2 32.5,12.298 cw(c35.04,12.298) 33.244,14.094 P2.4
  Bottom Layer w0.25: 16.8,13.75 16.85,13.7 J1.1
  Bottom Layer w0.3: D3.7 3.2,8.35 cw(c3.5,8.35) 3.5,8.65 4.4,8.65 ; D3.5 4.4,8.65 ; D3.3 5.6,8.65 ; D3.1 6.8,8.35 ccw(c6.5,8.35) 6.5,8.65 5.6,8.65 ; D5.7 14.2,14.05 ccw(c14.5,14.05) 14.5,13.75 15.4,13.75 ; D5.5 15.4,13.75 ; D5.3 16.6,13.75 ; D5.1 17.8,14.05 cw(c17.5,14.05) 17.5,13.75 16.8,13.75 16.6,13.75 ; D4.7 25.2,8.35 cw(c25.5,8.35) 25.5,8.65 26.4,8.65 ; D4.5 26.4,8.65 ; D4.3 27.6,8.65 ; D4.1 28.8,8.65 ; P2.1 30.5,8.65 28.8,8.65 ; 4.4,8.65 5.6,8.65 ; 15.4,13.75 16.6,13.75 ; 26.4,8.65 27.6,8.65 ; 27.6,8.65 28.8,8.65
pads on no net: J1.Z1 J1.Z2 P1.2 P1.3 U4.3 U5.2 U5.3 U5.5 U5.6 U5.7

## Polygon pours and split planes (outlines as drawn)
GND on Bottom Layer "B_GND" (solid, remove dead copper, pour order 2): 0,0 0,40.8 36,40.8 36,0
GND on Top Layer "B_GND" (solid, remove dead copper, pour order 4): 0,0 0,46 36,46 36,0

## Keep-outs
Top Layer:
  rectangle: 2.5,0.05 7.5,2.775
  rectangle: 24.5,0.05 29.5,2.775
Bottom Layer:
  rectangle: 2.5,0.05 7.5,2.775
  rectangle: 24.5,0.05 29.5,2.775
Keep-Out Layer:
  circle w0.2: c27,43.5 r2.4
  circle w0.2: c5,3 r2.4
  circle w0.2: c27,3 r2.4
  lines w0.2: 0,38.8 cw(c2,38.8) 2,40.8 27,40.8 ccw(c27,43.5) 29.7,43.5 29.7,46 34,46 cw(c34,44) 36,44 ; 0,39 0,2 ccw(c2,2) 2,0 9.8,0 ccw(c9.8,1) 10.8,1 10.8,9.8 cw(c11.3,9.8) 11.3,10.3 20.7,10.3 cw(c20.7,9.8) 21.2,9.8 21.2,1 ccw(c22.2,1) 22.2,0 34,0 ccw(c34,2) 36,2 36,43.9
  text ".Layer_Name" at 298.5,-23 h3.5

## Other copper
Top Layer:
  rectangle net GND: 15.5,19 18.5,20.2
  rectangle net GND: 15.5,14.5 18.5,16.2
  rectangle net GND: 16.6,14.5 17.4,20.2
  region net GND: 27.1,29.1 26.2,29.1 25.5,28.4 25.5,28.1 25.6,28 28,28 28.8,28.8
  region net LED3: 29.7,32.3 29.7,28.7 32.9,28.7 33.6,28 35.1,28 35.6,28.5 35.6,30.3 34.3,31.6 33.2,31.6 32.5,32.3
  region net LED0: 29.6,18.8 31.9,18.8 33,19.9 35,19.9 35.5,19.4 35.5,18.1 34.4,17 33.3,17 31.5,15.2 29.6,15.2
  region net LED1: 29.7,23.3 35.2,23.3 35.4,23.1 35.4,21.4 35.1,21.1 32.7,21.1 31.3,19.7 29.7,19.7
  region net LED2: 29.7,27.8 32.4,27.8 33.3,26.9 35,26.9 35.4,26.5 35.4,24.7 35.2,24.5 32.4,24.5 32.1,24.2 29.7,24.2
  pour cut-out: 7.2,15.1 7.2,13.7 8.1,13.7 8.1,15.1
  pour cut-out: 5.6,23.2 5.6,20.6 16.8,20.6 16.8,23.1
  text ".Layer_Name" at 298.5,-23 h3.5
Bottom Layer:
  pour cut-out: 25.9,17.5 25.9,15.6 31.6,15.6 31.6,17.5
  pour cut-out: 25.4,32 25.4,30.1 31.1,30.1 31.1,32
  pour cut-out: 13.15,33.5 13.15,31.6 18.85,31.6 18.85,33.5
  pour cut-out: 13.15,23.5 13.15,21.6 18.85,21.6 18.85,23.5
  pour cut-out: 0.4,17.5 0.4,15.6 6.1,15.6 6.1,17.5
  pour cut-out: 0.9,32 0.9,30.1 6.6,30.1 6.6,32
  text ".Layer_Name" at 298.5,-23 h3.5

## Silkscreen, mask and mechanical layers (free items; w line width, h text height)
Top Overlay:
  drawing of 14 lines, arcs and shapes, not listed
  text "R" at 30.385,40.355 h1.72 r90
  text "B" at 30.38,36.49 h1.72 r90
  text "3" at 32.95,28.5 h1.8 r90
  text "2" at 32.95,25 h1.8 r90
  text "1" at 32.95,21.5 h1.8 r90
  text "0" at 32.95,18 h1.8 r90
  text "V" at 32.95,14.5 h1.8 r90
  text "V00" at 7.6,8.4 h1.8 r90
  text "GND" at 32.95,7.7 h1.8 r90
  text "RGBW" at 5.7,7 h1.8 r90
  text "ESP12" at 3.8,5.75 h1.8 r90
  text "V" at 32.95,4 h1.8 r90
  text "5V-25V DC" at 2,3.75 h1.8 r90
  text "WIM" at 33.045,1.095 h2 r123.46
  text ".Layer_Name" at 298.5,-23 h3.5
Bottom Overlay:
  drawing of 140 lines, arcs and shapes, not listed
  text ".Layer_Name" at 298.5,-23 h3.5
Top Paste:
  text ".Layer_Name" at 298.5,-23 h3.5
Bottom Paste:
  text ".Layer_Name" at 298.5,-23 h3.5
Top Solder:
  region: 29.55,46.5 24.45,46.5 24.45,43.5 29.55,43.5
  rectangle: 24.45,0 29.55,3
  rectangle: 2.45,0 7.55,3
  lines w0.2: 0,2 ccw(c2,2) 2,0 ; 9.8,0 ccw(c9.8,1) 10.8,1 10.8,9.8 cw(c11.3,9.8) 11.3,10.3 20.7,10.3 cw(c20.7,9.8) 21.2,9.8 21.2,1 ccw(c22.2,1) 22.2,0 ; 34,0 ccw(c34,2) 36,2 ; 0,0 0,44 cw(c2,44) 2,46 34,46 cw(c34,44) 36,44 36,0 0,0
  text ".Layer_Name" at 298.5,-23 h3.5
Bottom Solder:
  lines w0.2: 0,2 ccw(c2,2) 2,0 ; 9.8,0 ccw(c9.8,1) 10.8,1 10.8,9.8 cw(c11.3,9.8) 11.3,10.3 20.7,10.3 cw(c20.7,9.8) 21.2,9.8 21.2,1 ccw(c22.2,1) 22.2,0 ; 34,0 ccw(c34,2) 36,2 ; 0,0 36,0 36,44 ccw(c34,44) 34,46 2,46 ccw(c2,44) 0,44 0,0
  text ".Layer_Name" at 298.5,-23 h3.5
Drill Guide:
  text ".Layer_Name" at 298.5,-23 h3.5
3D Symbols:
  text ".Layer_Name" at 298.5,-23 h3.5
Outline:
  the board outline again, w0.2
Comments:
  text ".Layer_Name" at 298.5,-23 h3.5
Fabrication:
  text "All Dimensions are in mm" at 5,-16 h1
  text ".Layer_Name" at 298.5,-23 h3.5
Placebound Top:
  text ".Layer_Name" at 298.5,-23 h3.5
Placebound Bottom:
  text ".Layer_Name" at 298.5,-23 h3.5
Frame:
  drawing of 15 lines, arcs and shapes, not listed
  text "Document" at 294,-8 h2
  text ".PCB_TITLE" at 295.5,-13.5 h4
  text "Layer Name" at 294,-18 h2
  text "Date" at 294,-28 h2
  text "Rev" at 334,-28 h2
  text ".Print_Date" at 297,-33.5 h3.5
  text ".PCB_REV" at 338.5,-33.5 h4
  text "Desginer" at 244,-38 h2
  text "Document" at 294,-38 h2
  text ".Pcb_File_Name_No_Path" at 295.5,-43 h1.5
  text ".PCB_ENGINEER" at 248.5,-43.5 h4
Assembly Top:
  text ".Layer_Name" at 298.5,-23 h3.5
Assembly Bottom:
  text ".Layer_Name" at 298.5,-23 h3.5
Drill Drawing:
  text ".legend" at 52.5,17.75 h1

## Dimensions
11.3,9.8 to 10.5,13.8 on Fabrication
2,2 to -3.5,-2.5 on Fabrication
9.8,1 to 9.5,1 on Fabrication
9.8,0 to 5,3 on Drill Drawing
0,2 to 5,3 on Drill Drawing
36,44 to 0,44 on Fabrication
10.8,1 to 0,2 on Fabrication
21.2,1 to 10.8,1 on Fabrication
36,44 to 21.2,9.8 on Fabrication
22.2,0 to 34,46 on Fabrication

## Text inside footprints (layer, text, board x,y; h text height)
J1: Comments "Milling Area" at 12.505,4.15 h1.52